# KiCad board noraneko43ts.kicad_pcb
date: 2022-09-22
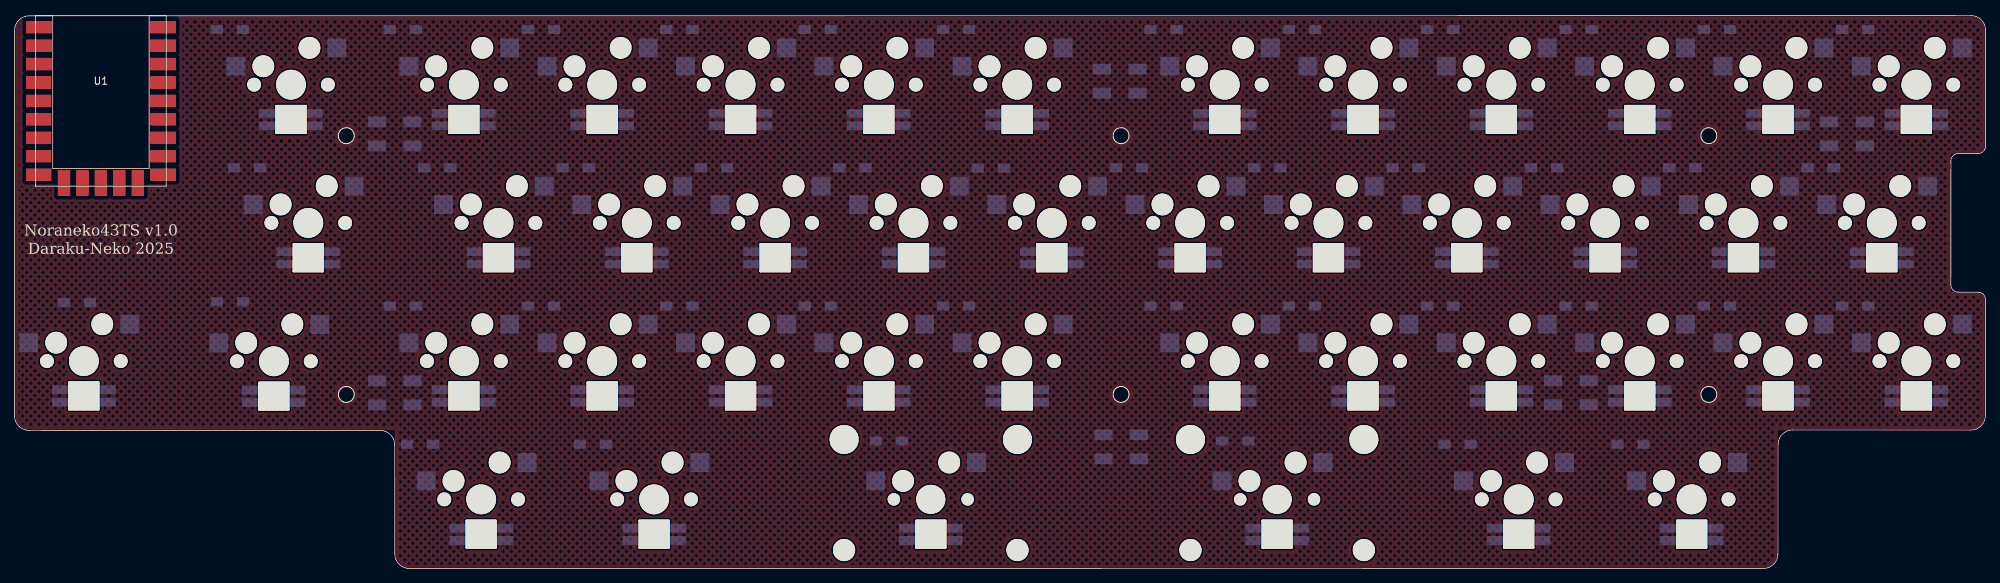
[diagram p0: board, top side]
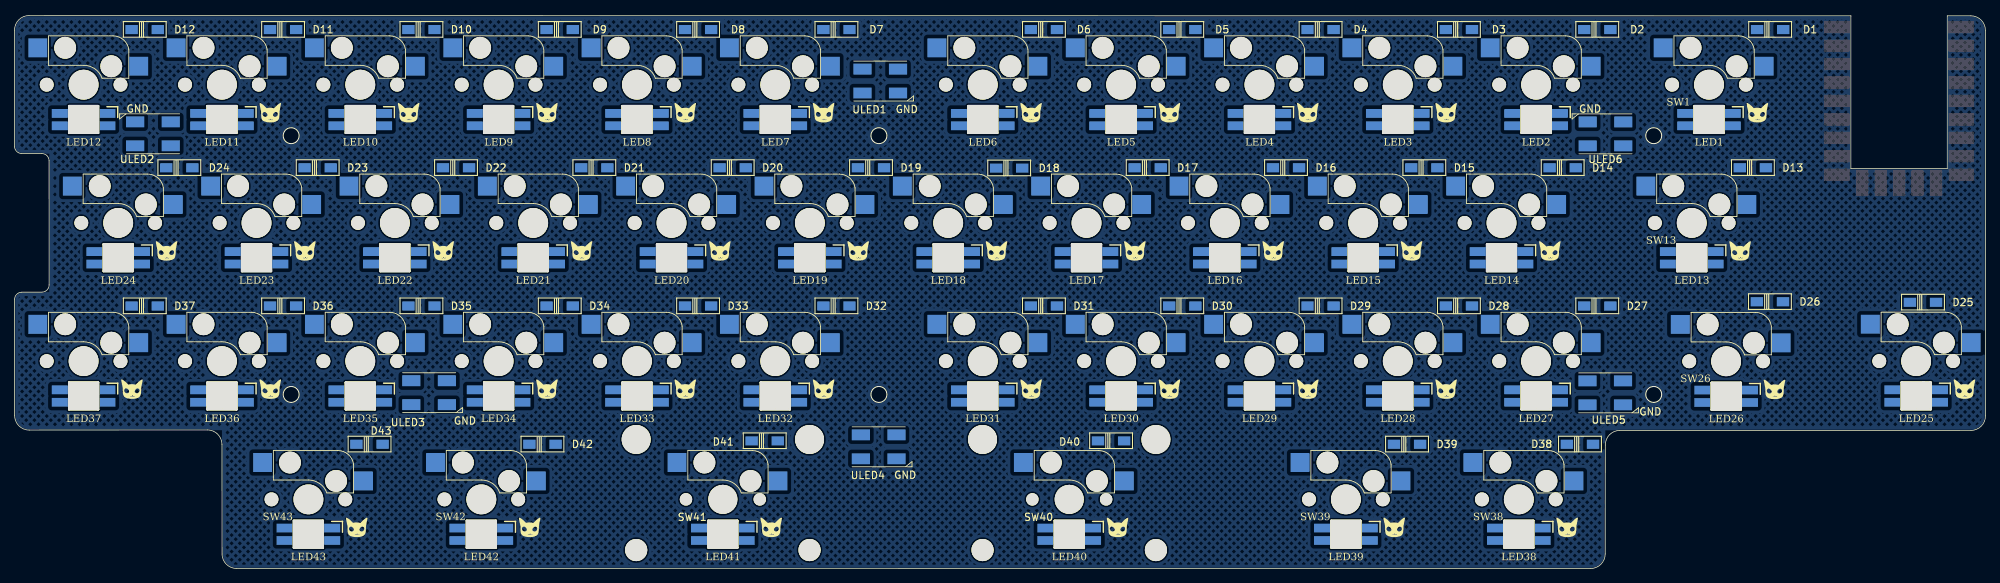
[diagram p1: board, bottom side, seen from below]

Outline 271.42 x 76.2 mm; copper layers: Top, Bottom. Coordinates in mm from the lower left corner of the outline.
Outline path: circle c45.69,59.65 r1.1 ; circle c45.69,23.99 r1.1 ; circle c152.39,59.65 r1.1 ; circle c152.39,23.99 r1.1 ; circle c233.33,59.65 r1.1 ; circle c233.33,23.99 r1.1 ; 5.26,76.17 2.01,76.17 arc(0.6,75.58) 0.01,74.17 0,21.03 arc(0.59,19.62) 2,19.03 50.36,19.03 arc(51.77,18.44) 52.36,17.03 52.37,2 arc(52.96,0.59) 54.37,0 ; 18.53,76.17 269.42,76.2 ; 54.37,0.01 240.84,0 arc(242.26,0.59) 242.84,2 242.86,17.1 arc(243.44,18.51) 244.86,19.09 269.41,19.08 arc(270.82,19.66) 271.41,21.08 271.42,37.08 arc(271.12,37.78) 270.42,38.08 267.65,38.08 arc(266.95,38.38) 266.66,39.08 266.67,56.19 arc(266.96,56.89) 267.67,57.19 270.42,57.19 arc(271.13,57.48) 271.42,58.18 271.42,74.2 arc(270.84,75.62) 269.42,76.2
Stack: Top 0.035mm / dielectric 1.51mm FR4 er 4.5 / Bottom 0.035mm

## Placement (name value [footprint] x y rotation side)
D1  D  [1N4148W]  29.65 74.27 180 bottom
D2  D  [1N4148W]  53.46 74.27 180 bottom
D3  D  [1N4148W]  72.51 74.27 180 bottom
D4  D  [1N4148W]  91.56 74.27 180 bottom
D5  D  [1N4148W]  110.61 74.27 180 bottom
D6  D  [1N4148W]  129.66 74.27 180 bottom
D7  D  [1N4148W]  158.24 74.27 180 bottom
D8  D  [1N4148W]  177.29 74.27 180 bottom
D9  D  [1N4148W]  196.34 74.27 180 bottom
D10  D  [1N4148W]  215.39 74.27 180 bottom
D11  D  [1N4148W]  234.44 74.27 180 bottom
D12  D  [1N4148W]  253.49 74.27 180 bottom
D13  D  [1N4148W]  32.03 55.22 180 bottom
D14  D  [1N4148W]  58.23 55.22 180 bottom
D15  D  [1N4148W]  77.28 55.22 180 bottom
D16  D  [1N4148W]  96.33 55.22 180 bottom
D17  D  [1N4148W]  115.38 55.22 180 bottom
D18  D  [1N4148W]  134.45 55.18 180 bottom
D19  D  [1N4148W]  153.48 55.22 180 bottom
D20  D  [1N4148W]  172.53 55.22 180 bottom
D21  D  [1N4148W]  191.58 55.22 180 bottom
D22  D  [1N4148W]  210.63 55.22 180 bottom
D23  D  [1N4148W]  229.68 55.22 180 bottom
D24  D  [1N4148W]  248.73 55.22 180 bottom
D25  D  [1N4148W]  8.61 36.68 180 bottom
D26  D  [1N4148W]  29.68 36.76 180 bottom
D27  D  [1N4148W]  53.46 36.17 180 bottom
D28  D  [1N4148W]  72.51 36.17 180 bottom
D29  D  [1N4148W]  91.56 36.17 180 bottom
D30  D  [1N4148W]  110.61 36.17 180 bottom
D31  D  [1N4148W]  129.66 36.17 180 bottom
D32  D  [1N4148W]  158.24 36.17 180 bottom
D33  D  [1N4148W]  177.29 36.17 180 bottom
D34  D  [1N4148W]  196.34 36.17 180 bottom
D35  D  [1N4148W]  215.39 36.17 180 bottom
D36  D  [1N4148W]  234.44 36.17 180 bottom
D37  D  [1N4148W]  253.49 36.17 180 bottom
D38  D  [1N4148W]  55.84 17.12 180 bottom
D39  D  [1N4148W]  79.66 17.12 180 bottom
D40  D  [1N4148W]  120.42 17.58 180 bottom
D41  D  [1N4148W]  168.12 17.58 180 bottom
D42  D  [1N4148W]  198.72 17.12 180 bottom
D43  D  [1N4148W]  222.53 17.12 180 bottom
LED1  -  [SK6812MINI-E]  38.07 61.88 0 bottom
LED2  -  [SK6812MINI-E_no_logo]  61.88 61.88 0 bottom
LED3  -  [SK6812MINI-E]  80.93 61.88 0 bottom
LED4  -  [SK6812MINI-E]  99.98 61.88 0 bottom
LED5  -  [SK6812MINI-E]  119.03 61.88 0 bottom
LED6  -  [SK6812MINI-E]  138.08 61.88 0 bottom
LED7  -  [SK6812MINI-E]  166.66 61.88 0 bottom
LED8  -  [SK6812MINI-E]  185.71 61.88 0 bottom
LED9  -  [SK6812MINI-E]  204.76 61.88 0 bottom
LED10  -  [SK6812MINI-E]  223.81 61.88 0 bottom
LED11  -  [SK6812MINI-E]  242.86 61.88 0 bottom
LED12  -  [SK6812MINI-E_no_logo]  261.91 61.88 0 bottom
LED13  -  [SK6812MINI-E]  40.45 42.83 0 bottom
LED14  -  [SK6812MINI-E]  66.65 42.83 0 bottom
LED15  -  [SK6812MINI-E]  85.7 42.83 0 bottom
LED16  -  [SK6812MINI-E]  104.75 42.83 0 bottom
LED17  -  [SK6812MINI-E]  123.8 42.83 0 bottom
LED18  -  [SK6812MINI-E]  142.85 42.83 0 bottom
LED19  -  [SK6812MINI-E]  161.9 42.83 0 bottom
LED20  -  [SK6812MINI-E]  180.95 42.83 0 bottom
LED21  -  [SK6812MINI-E]  200 42.83 0 bottom
LED22  -  [SK6812MINI-E]  219.05 42.83 0 bottom
LED23  -  [SK6812MINI-E]  238.1 42.83 0 bottom
LED24  -  [SK6812MINI-E]  257.15 42.83 0 bottom
LED25  -  [SK6812MINI-E]  9.55 23.78 0 bottom
LED26  -  [SK6812MINI-E]  35.71 23.74 0 bottom
LED27  -  [SK6812MINI-E_no_logo]  61.88 23.78 0 bottom
LED28  -  [SK6812MINI-E]  80.93 23.78 0 bottom
LED29  -  [SK6812MINI-E]  99.98 23.78 0 bottom
LED30  -  [SK6812MINI-E]  119.03 23.78 0 bottom
LED31  -  [SK6812MINI-E]  138.08 23.78 0 bottom
LED32  -  [SK6812MINI-E]  166.66 23.78 0 bottom
LED33  -  [SK6812MINI-E]  185.71 23.78 0 bottom
LED34  -  [SK6812MINI-E]  204.76 23.78 0 bottom
LED35  -  [SK6812MINI-E_no_logo]  223.81 23.78 0 bottom
LED36  -  [SK6812MINI-E]  242.86 23.78 0 bottom
LED37  -  [SK6812MINI-E]  261.91 23.78 0 bottom
LED38  -  [SK6812MINI-E]  64.26 4.73 0 bottom
LED39  -  [SK6812MINI-E]  88.08 4.73 0 bottom
LED40  -  [SK6812MINI-E]  126.18 4.73 0 bottom
LED41  -  [SK6812MINI-E]  173.88 4.73 0 bottom
LED42  -  [SK6812MINI-E]  207.14 4.73 0 bottom
LED43  -  [SK6812MINI-E]  230.96 4.73 0 bottom
SW1  SW_Push  [MX_Socket_1.50U]  38.07 66.68 0 top
SW2  SW_Push  [MX_Socket]  61.88 66.68 0 top
SW3  SW_Push  [MX_Socket]  80.93 66.68 0 top
SW4  SW_Push  [MX_Socket]  99.98 66.68 0 top
SW5  SW_Push  [MX_Socket]  119.03 66.68 0 top
SW6  SW_Push  [MX_Socket]  138.08 66.68 0 top
SW7  SW_Push  [MX_Socket]  166.66 66.68 0 top
SW8  SW_Push  [MX_Socket]  185.71 66.68 0 top
SW9  SW_Push  [MX_Socket]  204.76 66.68 0 top
SW10  SW_Push  [MX_Socket]  223.81 66.68 0 top
SW11  SW_Push  [MX_Socket]  242.86 66.68 0 top
SW12  SW_Push  [MX_Socket]  261.91 66.68 0 top
SW13  SW_Push  [MX_Socket_1.75U]  40.45 47.63 0 top
SW14  SW_Push  [MX_Socket]  66.65 47.63 0 top
SW15  SW_Push  [MX_Socket]  85.7 47.63 0 top
SW16  SW_Push  [MX_Socket]  104.75 47.63 0 top
SW17  SW_Push  [MX_Socket]  123.8 47.63 0 top
SW18  SW_Push  [MX_Socket]  142.85 47.63 0 top
SW19  SW_Push  [MX_Socket]  161.9 47.63 0 top
SW20  SW_Push  [MX_Socket]  180.95 47.63 0 top
SW21  SW_Push  [MX_Socket]  200 47.63 0 top
SW22  SW_Push  [MX_Socket]  219.05 47.63 0 top
SW23  SW_Push  [MX_Socket]  238.1 47.63 0 top
SW24  SW_Push  [MX_Socket]  257.15 47.63 0 top
SW25  SW_Push  [MX_Socket]  9.55 28.58 0 top
SW26  SW_Push  [MX_Socket_1.75U]  35.72 28.56 0 top
SW27  SW_Push  [MX_Socket]  61.88 28.58 0 top
SW28  SW_Push  [MX_Socket]  80.93 28.58 0 top
SW29  SW_Push  [MX_Socket]  99.98 28.58 0 top
SW30  SW_Push  [MX_Socket]  119.03 28.58 0 top
SW31  SW_Push  [MX_Socket]  138.08 28.58 0 top
SW32  SW_Push  [MX_Socket]  166.66 28.58 0 top
SW33  SW_Push  [MX_Socket]  185.71 28.58 0 top
SW34  SW_Push  [MX_Socket]  204.76 28.58 0 top
SW35  SW_Push  [MX_Socket]  223.81 28.58 0 top
SW36  SW_Push  [MX_Socket]  242.86 28.58 0 top
SW37  SW_Push  [MX_Socket]  261.91 28.58 0 top
SW38  SW_Push  [MX_Socket_1.25U]  64.26 9.53 0 top
SW39  SW_Push  [MX_Socket_1.25U]  88.08 9.53 0 top
SW40  SW_Push  [MX_Socket_2.75U_Re]  126.18 9.53 0 top
SW41  SW_Push  [MX_Socket_2.25U_Re]  173.88 9.53 0 top
SW42  SW_Push  [MX_Socket_1.25U]  207.14 9.53 0 top
SW43  SW_Push  [MX_Socket_1.25U]  230.95 9.53 0 top
U1  RP2040-Zero  [RP2040-Zero-SMD]  11.89 65.19 0 top
ULED1  WS2812B  [WS2812B_PLCC4_5.0x5.0mm]  152.2 67.18 180 bottom
ULED2  WS2812B  [WS2812B_PLCC4_5.0x5.0mm]  252.36 59.91 0 bottom
ULED3  WS2812B  [WS2812B_PLCC4_5.0x5.0mm]  214.33 24.23 180 bottom
ULED4  WS2812B  [WS2812B_PLCC4_5.0x5.0mm]  152.42 16.77 180 bottom
ULED5  WS2812B  [WS2812B_PLCC4_5.0x5.0mm]  52.37 24.21 180 bottom
ULED6  WS2812B  [WS2812B_PLCC4_5.0x5.0mm]  52.34 59.9 0 bottom

## Library data of the parts
D1-D43 = -: LCSC: C81598; Sim.Pins: 1=K 2=A; ki_fp_filters: TO-???* *_Diode_* *SingleDiode* D_*
LED1 LED3-LED11 LED13-LED43 = -: LCSC: C5149201
SW1-SW43 = -: LCSC: C41430893
ULED1-ULED6 = -: Field5: 1

## Footprints (pads in the part's own frame, mm; a bottom-side part is the same pattern mirrored in y, then rotated)
1N4148W
  rect 1.7x1.25 smd: 1(-1.8,0) 2(1.8,0)
MX_Socket
  round 1.9 hole 1.9 unplated: (-5.08,0) (5.08,0)
  round 3 hole 3 unplated: (-3.81,2.54) (2.54,5.08)
  round 4.1 hole 4.1 unplated: (0,0)
  rect 2.6x2.6 smd far side: 1(6.314,5.079) 2(-7.586,2.539)
MX_Socket_1.25U
  round 1.9 hole 1.9 unplated: (-5.08,0) (5.08,0)
  round 3 hole 3 unplated: (-3.81,2.54) (2.54,5.08)
  round 4.1 hole 4.1 unplated: (0,0)
  rect 2.6x2.6 smd far side: 1(6.314,5.079) 2(-7.586,2.539)
MX_Socket_1.50U
  round 1.9 hole 1.9 unplated: (-5.08,0) (5.08,0)
  round 3 hole 3 unplated: (-3.81,2.54) (2.54,5.08)
  round 4.1 hole 4.1 unplated: (0,0)
  rect 2.6x2.6 smd far side: 1(6.314,5.079) 2(-7.586,2.539)
MX_Socket_1.75U
  round 1.9 hole 1.9 unplated: (-5.08,0) (5.08,0)
  round 3 hole 3 unplated: (-3.81,2.54) (2.54,5.08)
  round 4.1 hole 4.1 unplated: (0,0)
  rect 2.6x2.6 smd far side: 1(6.314,5.079) 2(-7.586,2.539)
MX_Socket_2.25U_Re
  round 3.988 hole 3.988 unplated: (-11.938,8.255) (11.938,8.255)
  round 3.048 hole 3.048 unplated: (-11.938,-6.985) (11.938,-6.985)
  round 1.7 hole 1.7 unplated: (-5.081,-0.001) (5.079,-0.001)
  round 3 hole 3 unplated: (-3.811,2.539) (2.539,5.079)
  round 4 hole 4 unplated: (0,0)
  rect 2.6x2.6 smd far side: 1(6.314,5.079) 2(-7.586,2.539)
MX_Socket_2.75U_Re
  round 3.988 hole 3.988 unplated: (-11.938,8.254) (11.938,8.254)
  round 3.048 hole 3.048 unplated: (-11.938,-6.986) (11.938,-6.986)
  round 1.7 hole 1.7 unplated: (-5.081,-0.001) (5.079,-0.001)
  round 3 hole 3 unplated: (-3.811,2.539) (2.539,5.079)
  round 4 hole 4 unplated: (0,0)
  rect 2.6x2.6 smd far side: 1(6.314,5.079) 2(-7.586,2.539)
RP2040-Zero-SMD
  rect 3.5x1.7 smd: 0(9.47,9.41) 1(9.47,6.87) 2(9.47,4.33) 3(9.47,1.79) 4(9.47,-0.75) 5(9.47,-3.29) 6(9.47,-5.83) 7(9.47,-8.37) 8(9.47,-10.91) 14(-9.46,-10.91) 15(-9.46,-8.37) 26(-9.46,-5.83) 27(-9.46,-3.29) 28(-9.46,-0.75) 29(-9.46,1.79) 30(-9.43,4.33) 31(-9.43,6.87) 32(-9.43,9.41)
  rect 1.7x3.5 smd: 9(5.08,-12.96) 10(2.54,-12.96) 11(0,-12.96) 12(-2.54,-12.96) 13(-5.08,-12.96)
SK6812MINI-E
  oval 0.3x4 hole 0.3x4 unplated: (-2,0) (2,0)
  oval 1x3.8 hole 1x3.8 unplated: (-1.47,0) (-1,-0.05) (-0.43,-0.01) (0.3,-0.02) (0.93,-0.02) (1.5,0.02)
  oval 4.3x0.3 hole 4.3x0.3 unplated: (0,-1.86) (0,1.85)
  rect 2.2x1.2 smd: 1(3.28,0.87) 2(3.28,-0.843) 3(-3.28,-0.843) 4(-3.28,0.87)
SK6812MINI-E_no_logo
  oval 0.3x4 hole 0.3x4 unplated: (-2,0) (2,0)
  oval 1x3.8 hole 1x3.8 unplated: (-1.47,0) (-1,-0.05) (-0.43,-0.01) (0.3,-0.02) (0.93,-0.02) (1.5,0.02)
  oval 4.3x0.3 hole 4.3x0.3 unplated: (0,-1.86) (0,1.85)
  rect 2.2x1.2 smd: 1(3.28,0.87) 2(3.28,-0.843) 3(-3.28,-0.843) 4(-3.28,0.87)
WS2812B_PLCC4_5.0x5.0mm
  rect 2.5x1.5 smd: 1(-2.45,1.65) 2(-2.45,-1.65) 3(2.45,-1.65) 4(2.45,1.65)

## Nets
+5V: LED1.1 LED2.1 LED3.1 LED4.1 LED5.1 LED6.1 LED7.1 LED8.1 LED9.1 LED10.1 LED11.1 LED12.1 LED13.1 LED14.1 LED15.1 LED16.1 LED17.1 LED18.1 LED19.1 LED20.1 LED21.1 LED22.1 LED23.1 LED24.1 LED25.1 LED26.1 LED27.1 LED28.1 LED29.1 LED30.1 LED31.1 LED32.1 LED33.1 LED34.1 LED35.1 LED36.1 LED37.1 LED38.1 LED39.1 LED40.1 LED41.1 LED42.1 LED43.1 U1.32 ULED1.1 ULED2.1 ULED3.1 ULED4.1 ULED5.1 ULED6.1
GND: LED1.3 LED2.3 LED3.3 LED4.3 LED5.3 LED6.3 LED7.3 LED8.3 LED9.3 LED10.3 LED11.3 LED12.3 LED13.3 LED14.3 LED15.3 LED16.3 LED17.3 LED18.3 LED19.3 LED20.3 LED21.3 LED22.3 LED23.3 LED24.3 LED25.3 LED26.3 LED27.3 LED28.3 LED29.3 LED30.3 LED31.3 LED32.3 LED33.3 LED34.3 LED35.3 LED36.3 LED37.3 LED38.3 LED39.3 LED40.3 LED41.3 LED42.3 LED43.3 U1.31 ULED1.3 ULED2.3 ULED3.3 ULED4.3 ULED5.3 ULED6.3
COL0: SW25.1 U1.1
COL1: SW1.1 SW13.1 SW26.1 U1.2
COL2: SW2.1 SW14.1 SW27.1 U1.3
COL3: SW3.1 SW15.1 SW28.1 U1.4
COL4: SW4.1 SW16.1 SW29.1 SW38.1 U1.5
COL5: SW5.1 SW17.1 SW30.1 SW39.1 U1.6
COL6: SW6.1 SW18.1 SW31.1 SW40.1 U1.7
COL7: SW7.1 SW19.1 SW32.1 SW41.1 U1.8
COL8: SW8.1 SW20.1 SW33.1 SW42.1 U1.9
COL9: SW9.1 SW21.1 SW34.1 SW43.1 U1.10
COL10: SW10.1 SW22.1 SW35.1 U1.11
COL11: SW11.1 SW23.1 SW36.1 U1.12
COL12: SW12.1 SW24.1 SW37.1 U1.13
LED3.3V: U1.0 ULED1.4
ROW0: D1.1 D2.1 D3.1 D4.1 D5.1 D6.1 D7.1 D8.1 D9.1 D10.1 D11.1 D12.1 U1.15
ROW1: D13.1 D14.1 D15.1 D16.1 D17.1 D18.1 D19.1 D20.1 D21.1 D22.1 D23.1 D24.1 U1.26
ROW2: D25.1 D26.1 D27.1 D28.1 D29.1 D30.1 D31.1 D32.1 D33.1 D34.1 D35.1 D36.1 D37.1 U1.27
ROW3: D38.1 D39.1 D40.1 D41.1 D42.1 D43.1 U1.28
Net-(D1-A): D1.2 SW1.2
Net-(D2-A): D2.2 SW2.2
Net-(D3-A): D3.2 SW3.2
Net-(D4-A): D4.2 SW4.2
Net-(D5-A): D5.2 SW5.2
Net-(D6-A): D6.2 SW6.2
Net-(D7-A): D7.2 SW7.2
Net-(D8-A): D8.2 SW8.2
Net-(D9-A): D9.2 SW9.2
Net-(D10-A): D10.2 SW10.2
Net-(D11-A): D11.2 SW11.2
Net-(D12-A): D12.2 SW12.2
Net-(D13-A): D13.2 SW13.2
Net-(D14-A): D14.2 SW14.2
Net-(D15-A): D15.2 SW15.2
Net-(D16-A): D16.2 SW16.2
Net-(D17-A): D17.2 SW17.2
Net-(D18-A): D18.2 SW18.2
Net-(D19-A): D19.2 SW19.2
Net-(D20-A): D20.2 SW20.2
Net-(D21-A): D21.2 SW21.2
Net-(D22-A): D22.2 SW22.2
Net-(D23-A): D23.2 SW23.2
Net-(D24-A): D24.2 SW24.2
Net-(D25-A): D25.2 SW25.2
Net-(D26-A): D26.2 SW26.2
Net-(D27-A): D27.2 SW27.2
Net-(D28-A): D28.2 SW28.2
Net-(D29-A): D29.2 SW29.2
Net-(D30-A): D30.2 SW30.2
Net-(D31-A): D31.2 SW31.2
Net-(D32-A): D32.2 SW32.2
Net-(D33-A): D33.2 SW33.2
Net-(D34-A): D34.2 SW34.2
Net-(D35-A): D35.2 SW35.2
Net-(D36-A): D36.2 SW36.2
Net-(D37-A): D37.2 SW37.2
Net-(D38-A): D38.2 SW38.2
Net-(D39-A): D39.2 SW39.2
Net-(D40-A): D40.2 SW40.2
Net-(D41-A): D41.2 SW41.2
Net-(D42-A): D42.2 SW42.2
Net-(D43-A): D43.2 SW43.2
Net-(LED1-DIN): LED1.4 ULED6.2
Net-(LED1-DOUT): LED1.2 LED2.4
Net-(LED2-DOUT): LED2.2 LED3.4
Net-(LED3-DOUT): LED3.2 LED4.4
Net-(LED4-DOUT): LED4.2 LED5.4
Net-(LED5-DOUT): LED5.2 LED6.4
Net-(LED6-DOUT): LED6.2 LED7.4
Net-(LED7-DOUT): LED7.2 LED8.4
Net-(LED8-DOUT): LED8.2 LED9.4
Net-(LED10-DIN): LED9.2 LED10.4
Net-(LED10-DOUT): LED10.2 LED11.4
Net-(LED11-DOUT): LED11.2 LED12.4
Net-(LED12-DOUT): LED12.2 LED13.4
Net-(LED13-DOUT): LED13.2 LED14.4
Net-(LED14-DOUT): LED14.2 LED15.4
Net-(LED15-DOUT): LED15.2 LED16.4
Net-(LED16-DOUT): LED16.2 LED17.4
Net-(LED17-DOUT): LED17.2 LED18.4
Net-(LED18-DOUT): LED18.2 LED19.4
Net-(LED19-DOUT): LED19.2 LED20.4
Net-(LED20-DOUT): LED20.2 LED21.4
Net-(LED21-DOUT): LED21.2 LED22.4
Net-(LED22-DOUT): LED22.2 LED23.4
Net-(LED23-DOUT): LED23.2 LED24.4
Net-(LED24-DOUT): LED24.2 LED25.4
Net-(LED25-DOUT): LED25.2 LED26.4
Net-(LED26-DOUT): LED26.2 LED27.4
Net-(LED27-DOUT): LED27.2 LED28.4
Net-(LED28-DOUT): LED28.2 LED29.4
Net-(LED29-DOUT): LED29.2 LED30.4
Net-(LED30-DOUT): LED30.2 LED31.4
Net-(LED31-DOUT): LED31.2 LED32.4
Net-(LED32-DOUT): LED32.2 LED33.4
Net-(LED33-DOUT): LED33.2 LED34.4
Net-(LED34-DOUT): LED34.2 LED35.4
Net-(LED35-DOUT): LED35.2 LED36.4
Net-(LED36-DOUT): LED36.2 LED37.4
Net-(LED37-DOUT): LED37.2 LED38.4
Net-(LED38-DOUT): LED38.2 LED39.4
Net-(LED39-DOUT): LED39.2 LED40.4
Net-(LED40-DOUT): LED40.2 LED41.4
Net-(LED41-DOUT): LED41.2 LED42.4
Net-(LED42-DOUT): LED42.2 LED43.4
Net-(ULED1-DOUT): ULED1.2 ULED2.4
Net-(ULED2-DOUT): ULED2.2 ULED3.4
Net-(ULED3-DOUT): ULED3.2 ULED4.4
Net-(ULED4-DOUT): ULED4.2 ULED5.4
Net-(ULED5-DOUT): ULED5.2 ULED6.4

Pads without a net: LED43 2; U1 14 29 30

## Copper pours and planes (outline as drawn; the poured copper is in the pictures)
(no net) on Top, Bottom: 271.42,76.18 0.13,76.23 0,19.05 52.36,19.04 52.36,0.01 242.86,0 242.86,19.06 271.38,19.09 271.42,38.08 266.65,38.09 266.64,57.17 271.41,57.18

## Text on the board
F.Silkscreen: Noraneko43TS v1.0 / Daraku-Neko 2025
